# Altium PCB Breathalyzer.PcbDoc
Units mm, origin at the board's own origin, x right, y up, seen from the top; angles counter-clockwise.
Board outline 115 x 42 mm, 2 copper layers (Top Layer, Bottom Layer), stack 1.671 mm thick; 66 components, 48 nets, 286 pads, 94 vias.
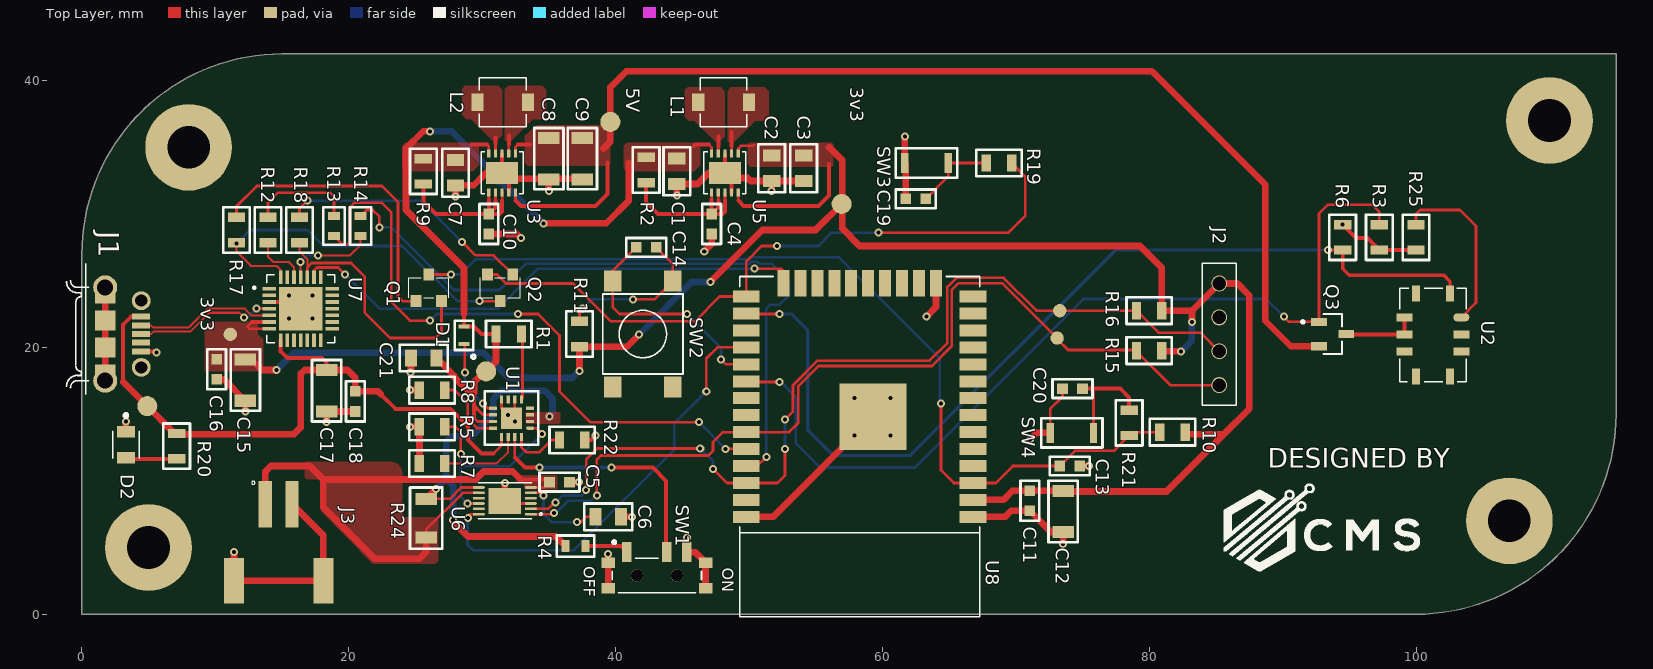
[diagram p0: Top Layer view]
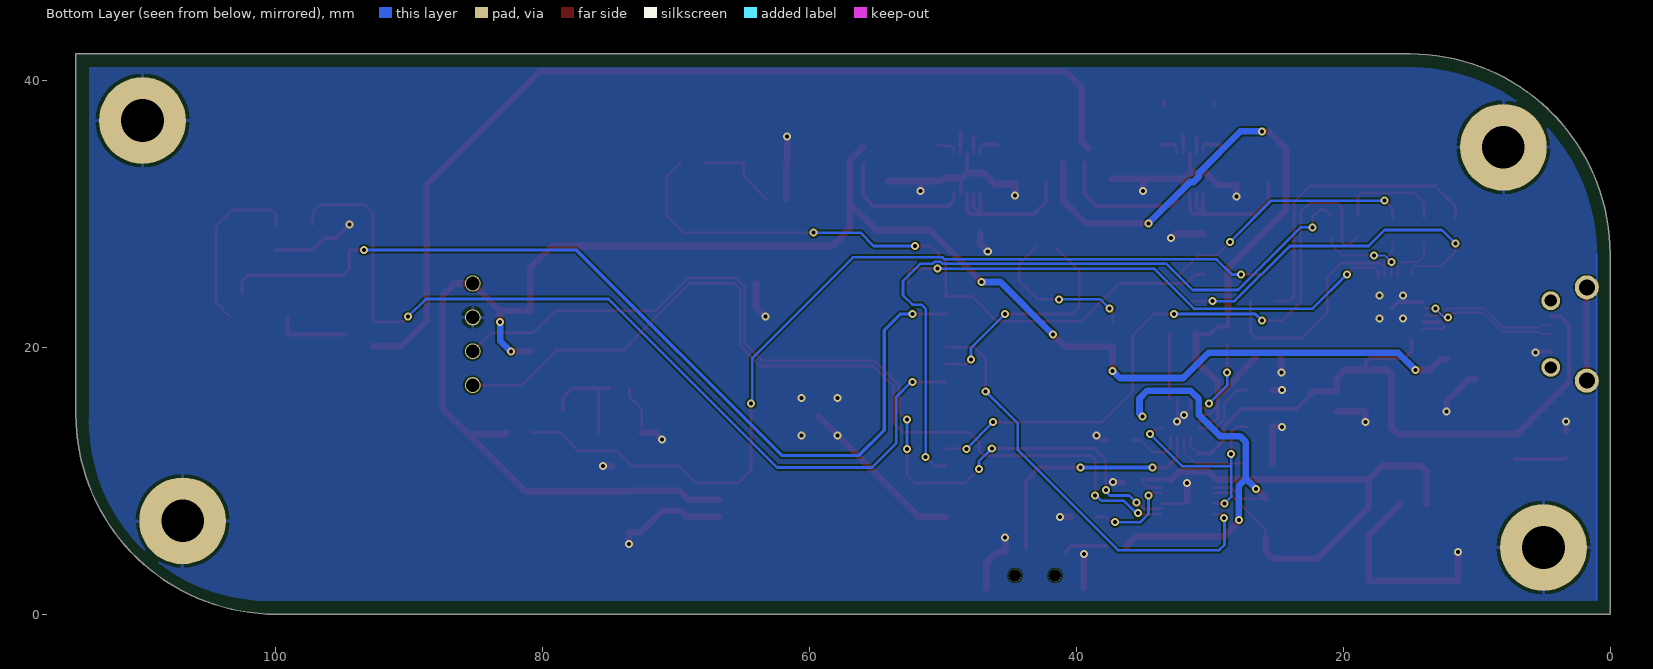
[diagram p1: Bottom Layer view, seen from below]
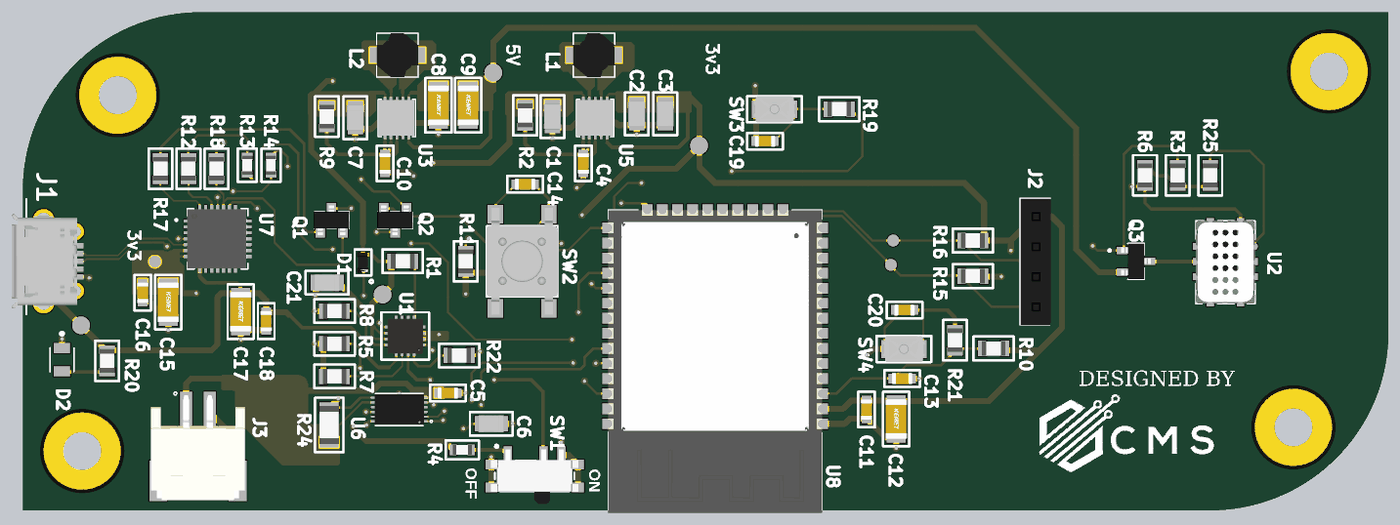
[diagram p2: 3D render of the assembled board from above, using the file's embedded part models]

## Layer stack, top to bottom
Top Solder: solder mask 0.0102, Solder Resist, Dk 3.5
Top Layer: signal copper 0.0356
Dielectric 1: dielectric 1.6, FR-4, Dk 4.8
Bottom Layer: signal copper 0.0356
Bottom Solder: solder mask 0.0102, Solder Resist, Dk 3.5

## Board outline
0,0 0,27 cw(c15,27) 15,42 115,42 115,15 cw(c100,15) 100,0

## Design rules (kind name [scope] priority, off if disabled: settings)
Clearance [All] p1: gap=0.127 ignorepadtopadclearanceinfootprint=FALSE
FabricationTestPointUsage [All] p1: valid=2 allowmultiple=FALSE
HoleSize [All] p1: absolutevalues=TRUE maxlimit=10 minlimit=0.2 maxpercent=80.000 minpercent=20.000
HoleToHoleClearance [All] p1: gap=0.3 allowstackedmicrovias=TRUE
MinimumSolderMaskSliver [All] p1: minsoldermaskwidth=0.1
PolygonConnect PolygonConnect_17 [All vs IsNamedPolygon('Top Layer-BATTIN 1')] p1: connectstyle=Direct reliefconductorwidth=0.254 reliefentries=4 polygonreliefangle="90 Angle" airgapwidth=0.254
PolygonConnect PolygonConnect_16 [All vs IsNamedPolygon('Top Layer-BATTIN')] p2: connectstyle=Direct reliefconductorwidth=0.254 reliefentries=4 polygonreliefangle="90 Angle" airgapwidth=0.254
PolygonConnect PolygonConnect_15 [All vs IsNamedPolygon('Top Layer-VBAT')] p3: connectstyle=Direct reliefconductorwidth=0.254 reliefentries=4 polygonreliefangle="90 Angle" airgapwidth=0.254
PolygonConnect PolygonConnect_14 [All vs IsNamedPolygon('Bottom Layer-GND')] p4: thpad.connectstyle=Relief thpad.reliefconductorwidth=0.254 thpad.reliefentries=4 thpad.polygonreliefangle="90 Angle" thpad.airgapwidth=0.254 smdpad.connectstyle=NoConnect smdpad.reliefconductorwidth=0.254 smdpad.reliefentries=4 smdpad.polygonreliefangle="90 Angle" smdpad.airgapwidth=0.254 via.connectstyle=Direct via.reliefconductorwidth=0.254 via.reliefentries=4 via.polygonreliefangle="90 Angle" via.airgapwidth=0.254
PolygonConnect PolygonConnect_13 [All vs IsNamedPolygon('Bottom Layer-GND')] p5: thpad.connectstyle=Relief thpad.reliefconductorwidth=0.254 thpad.reliefentries=4 thpad.polygonreliefangle="90 Angle" thpad.airgapwidth=0.254 smdpad.connectstyle=Relief smdpad.reliefconductorwidth=0.254 smdpad.reliefentries=4 smdpad.polygonreliefangle="90 Angle" smdpad.airgapwidth=0.254 via.connectstyle=Direct via.reliefconductorwidth=0.254 via.reliefentries=4 via.polygonreliefangle="90 Angle" via.airgapwidth=0.254
PolygonConnect PolygonConnect_12 [All vs IsNamedPolygon('Top Layer-3V3')] p6: connectstyle=Direct reliefconductorwidth=0.254 reliefentries=4 polygonreliefangle="90 Angle" airgapwidth=0.254
PolygonConnect PolygonConnect_11 [All vs IsNamedPolygon('VOUT_L01_P026')] p7: connectstyle=Direct reliefconductorwidth=0.254 reliefentries=4 polygonreliefangle="90 Angle" airgapwidth=0.254
PolygonConnect PolygonConnect_10 [All vs IsNamedPolygon('5V_L01_P020')] p8: connectstyle=Direct reliefconductorwidth=0.254 reliefentries=4 polygonreliefangle="90 Angle" airgapwidth=0.254
PolygonConnect PolygonConnect_9 [All vs IsNamedPolygon('Top Layer-3V3 1')] p9: connectstyle=Direct reliefconductorwidth=0.254 reliefentries=4 polygonreliefangle="90 Angle" airgapwidth=0.254
PolygonConnect PolygonConnect_8 [All vs IsNamedPolygon('Top Layer-NetL1_2')] p10: connectstyle=Direct reliefconductorwidth=0.254 reliefentries=4 polygonreliefangle="90 Angle" airgapwidth=0.254
PolygonConnect PolygonConnect_7 [All vs IsNamedPolygon('Top Layer-NetL2_2')] p11: connectstyle=Direct reliefconductorwidth=0.254 reliefentries=4 polygonreliefangle="90 Angle" airgapwidth=0.254
PolygonConnect PolygonConnect_6 [All vs IsNamedPolygon('NETL2_1_L01_P022')] p12: connectstyle=Direct reliefconductorwidth=0.254 reliefentries=4 polygonreliefangle="90 Angle" airgapwidth=0.254
PolygonConnect PolygonConnect_5 [All vs IsNamedPolygon('NETL1_2_L01_P030')] p13: connectstyle=Direct reliefconductorwidth=0.254 reliefentries=4 polygonreliefangle="90 Angle" airgapwidth=0.254
PolygonConnect PolygonConnect_4 [All vs IsNamedPolygon('Top Layer-VOUT')] p14: connectstyle=Direct reliefconductorwidth=0.254 reliefentries=4 polygonreliefangle="90 Angle" airgapwidth=0.254
PolygonConnect PolygonConnect_3 [All vs IsNamedPolygon('Top Layer-NetL1_1')] p15: connectstyle=Direct reliefconductorwidth=0.254 reliefentries=4 polygonreliefangle="90 Angle" airgapwidth=0.254
PolygonConnect PolygonConnect_2 [All vs IsNamedPolygon('Bottom Layer-GND')] p16: thpad.connectstyle=Relief thpad.reliefconductorwidth=0.254 thpad.reliefentries=4 thpad.polygonreliefangle="90 Angle" thpad.airgapwidth=0.254 smdpad.connectstyle=Direct smdpad.reliefconductorwidth=0.254 smdpad.reliefentries=4 smdpad.polygonreliefangle="90 Angle" smdpad.airgapwidth=0.254 via.connectstyle=Direct via.reliefconductorwidth=0.254 via.reliefentries=4 via.polygonreliefangle="90 Angle" via.airgapwidth=0.254
PolygonConnect PolygonConnect_1 [All vs IsNamedPolygon('Top Layer-No Net 1') Or  IsNamedPolygon('Top Layer-5V 1')] p17: thpad.connectstyle=Direct thpad.reliefconductorwidth=0.254 thpad.reliefentries=4 thpad.polygonreliefangle="90 Angle" thpad.airgapwidth=0.254 smdpad.connectstyle=Direct smdpad.reliefconductorwidth=0.254 smdpad.reliefentries=4 smdpad.polygonreliefangle="90 Angle" smdpad.airgapwidth=0.254 via.connectstyle=Relief via.reliefconductorwidth=0.254 via.reliefentries=4 via.polygonreliefangle="90 Angle" via.airgapwidth=0.254
PolygonConnect [All] p18: connectstyle=Relief reliefconductorwidth=0.254 reliefentries=4 polygonreliefangle="90 Angle" airgapwidth=0.254
RoutingVias [All] p1: holewidth=0.3 width=0.6 viastyle="Through Hole" minholewidth=0.3 minwidth=0.6 maxholewidth=0.3 maxwidth=0.6
SilkToSilkClearance [All] p1: silktosilkclearance=0.1
SilkToSolderMaskClearance [IsPad] p1: minsilkscreentomaskgap=0.1 clearancetoexposedcopper=TRUE
SolderMaskExpansion [All] p1: expansion=0.102
Width Width_1 [All] p1: maxlimit=0.5 minlimit=0.152 preferedwidth=0.3
Width "Width POWERS" [(InNet('3V3') OR InNet('5V') OR InNet('VUSB') OR InNet('VBAT') OR InNet('VOUT') OR InNet('GND') OR InNet('3V3'))] p2: maxlimit=4 minlimit=0.4 preferedwidth=0.4
24 further rules are at their usual default settings.

## Components (designator, comment, footprint, x,y, rotation, side; value= is the part's Value field where it differs from the comment)
C1 "10uF" 0805MLCC 44.6,33.2 r270 top
C2 "10uF" 0805MLCC 51.7,33.425 r90 top
C3 "10uF" 0805MLCC 54.1,33.425 r90 top
C4 "0.1uF" 0603MLCC 47.2,28.5 r90 top
C5 "1uF 10%" 0603MLCC 35.05,9.895 r0 top
C6 ".47uF" 0805MLCC 39.45,7.3 r180 top
C7 "10uF" 0805MLCC 28,33.1 r270 top
C8 "10uF 25V" 1206MLCC 35,34.15 r90 top
C9 "10uF 25V" 1206MLCC 37.509,34.15 r90 top
C10 "0.1uF" 0603MLCC 30.5,28.5 r90 top
C11 "1uF 10%" 0603MLCC 71.05,7.75 r90 top
C12 "100uF 6.3V" 1206MLCC 73.55,7.7 r90 top
C13 "1nF 50V" 0603MLCC 74.8,11.11 r180 top
C14 "1nF 50V" 0603MLCC 43.05,27.5 r180 top
C15 "10uF 25V" 1206MLCC 12.25,17.55 r90 top
C16 "0.1uF" 0603MLCC 10.1,17.6 r90 top
C17 "10uF 25V" 1206MLCC 18.35,16.75 r90 top
C18 "0.1uF" 0603MLCC 20.5,15.2 r90 top
C19 "1nF 50V" 0603MLCC 61.755,31.133 r0 top
C20 "1nF 50V" 0603MLCC 73.5,16.9 r0 top
C21 "10uF" 0805MLCC 25.625,19.2 r180 top
D1 "Blue" LTST-C193TBKT-5A 28.646,20.9 r270 top
D2 "RED" LEDC2012X75N_APT2012SRCPRV(Primary) 3.3,12.7 r270 top
J1 "10118194-0001LF" FRAMATOME_10118194-0001LF 1.75,21 r270 top
J2 "Header for I2C Testing" "1x4 Header 2.54mm pitch" 85.25,24.79 r0 top
J3 "S2B-PH-SM4-TB" JST_S2B-PH-SM4-TB 14.75,8.25 r180 top
L1 "2u2 1.5A" VLF4012AT-2R2M1R5 48.1,38.375 r0 top
L2 "2u2 1.5A" VLF4012AT-2R2M1R5 31.55,38.375 r0 top
Q1 "S8050 NPN" SOT23-NPN 26,24.46 r0 top
Q2 "S8050 NPN" SOT23-NPN 31.35,24.46 r180 top
Q3 "DMP2045U-7" SOT91P240X110-3N 93.75,21 r0 top
R1 "10K 1%" 0805RES 31.996,21 r180 top
R2 "100R" 0805RES 42.3,33.3 r90 top
R3 "10K 1%" 0805RES 97.25,28.25 r270 top
R4 "100k" 0603RES 37,5.1 r180 top
R5 "10K 1%" 0805RES 26.25,14.05 r0 top
R6 "10K 1%" 0805RES 94.5,28.25 r270 top
R7 "18k" 0805RES 26.25,11.3 r0 top
R8 "1.6K" 0805RES 26.25,16.8 r0 top
R9 "100R" 0805RES 25.6,33.2 r90 top
R10 "10K 1%" 0805RES 81.75,13.65 r0 top
R11 "10K 1%" 0805RES 37.3,21 r270 top
R12 "470R 1%" 0805RES 13.95,28.8 r90 top
R13 "0R 1%" 0603RES 18.9,29.1 r270 top
R14 "0R 1%" 0603RES 20.9,29.1 r90 top
R15 "4k7" 0805RES 80,19.75 r180 top
R16 "4k7" 0805RES 80,22.75 r0 top
R17 "10K 1%" 0805RES 11.59,28.8 r90 top
R18 "10K 1%" 0805RES 16.31,28.8 r90 top
R19 "470R 1%" 0805RES 68.75,33.823 r0 top
R20 "1.6K" 0805RES 7.1,12.6 r90 top
R21 "470R 1%" 0805RES 78.5,14.35 r270 top
R22 "1.6K" 0805RES 36.75,13.054 r180 top
R24 "0.01R 1% 1W" 1206RES 25.8,7.2 r270 top
R25 "82R 1%" 0805RES 100,28.25 r90 top
SW1 "PCM12SMTR" SW_PCM12SMTR_PCM12SMTR(Primary) 43.1,2.9 r0 top
SW2 "PTS645SM43SMTR" PTS645SM43SMTR 42.05,21 r90 top
SW3 "SMD Light Touch Switch" "Tactile Switch" 63.305,33.823 r0 top
SW4 "SMD Light Touch Switch" "Tactile Switch" 74.2,13.6 r0 top
U1 "BQ24075" "VQFN 16-PIN 0.5MM PITCH" 32.2,14.7 r180 top
U2 "MiCS-5524" "MICS5524 ETHANOL SENSOR" 103.4,22.25 r180 top
U3 "TPS63002" SON50P300X300X100-11N 31.5,33.077 r270 top
U5 "TPS63001" SON50P300X300X100-11N 48.2,33.077 r270 top
U6 "BQ27441-G1" SON40P400X250X100-13N 31.7,8.5 r180 top
U7 "CP2102N" QFN50P500X500X80-29N 14.04,24.4 r0 top
U8 "ESP32-WROOM-32D" MODULE_ESP32-WROOM-32D 58.3,12.56 r180 top

## Footprints (in the part's own frame and the unit in brackets; to place one, negate y for a bottom-side part, rotate by r counter-clockwise, add the part's x,y. Pads: shape width x height; smd on the part's side, far side on the other; paste and mask are expansions set on the pad)
"1x4 Header 2.54mm pitch" [mm]
  round 1.2 hole 1.02 mask+0.1: 1(0,0) 2(0,-2.54) 3(0,-5.08) 4(0,-7.62)
  silkscreen extent -1.27,-9.14 1.27,1.52, body extent -1.22,-9.17 1.32,1.49, height 8.51
0603MLCC [mm]
  rect 0.8x0.8 smd: 1(0,0) 2(1.5,0)
  silkscreen extent -0.75,-0.7 2.25,0.7, body extent -0.12,-0.48 1.62,0.48, height 0.96
0603RES [mm]
  rect 0.6x0.9 smd: 1(-0.75,0) 2(0.75,0)
  silkscreen extent -1.4,-0.8 1.4,0.8, body extent -0.8,-0.43 0.8,0.43, height 0.52
0805MLCC [mm]
  rect 0.9x1.3 smd: 1(-0.95,0) 2(0.95,0)
  silkscreen extent -1.8,-1 1.8,1, body extent -1.1,-0.72 1.1,0.73, height 1.01
0805RES [mm]
  rect 0.7x1.3 smd: 1(-0.95,0) 2(0.95,0)
  silkscreen extent -1.7,-1 1.7,1, body extent -1,-0.63 1,0.63, height 0.47
1206MLCC [mm]
  rect 0.9x1.6 smd: 1(-1.55,0) 2(1.55,0)
  silkscreen extent -2.3,-1.1 2.3,1.1, body extent -1.7,-0.9 1.7,0.9, height 0.89
1206RES [mm]
  rect 0.9x1.6 smd: 1(-1.45,0) 2(1.45,0)
  silkscreen extent -2.3,-1.2 2.3,1.2, body extent -1.6,-0.83 1.6,0.83, height 0.57
FRAMATOME_10118194-0001LF [mm]
  rect 0.45x1.35 smd mask+0.05: 1(-1.3,2.675) 2(-0.65,2.675) 3(0,2.675) 4(0.65,2.675) 5(1.3,2.675)
  round 1.408 hole 0.9: P$6(-2.5,2.7) P$7(2.5,2.7)
  round 1.8 hole 1.2: P$8(-3.5,0) P$9(3.5,0)
  rect 1.5x1.55 smd: P$10(-1,0) P$11(1,0) P$12(-3.05,0) P$13(3.05,0)
  silkscreen extent -5.25,-2.9 4.5,-1.25, body extent -4.02,-2.7 4.02,2.88, height 2.77
JST_S2B-PH-SM4-TB [mm]
  rect 1x3.5 smd: 1(1,0) 2(-1,0)
  rect 1.5x3.4 smd: P1(3.35,5.75) P2(-3.35,5.75)
  silkscreen extent 1.77,-1.73 2.03,-1.47, body extent -3.95,-1.47 3.95,7.38, height 5.63
LEDC2012X75N_APT2012SRCPRV(Primary) [mm]
  rect 0.86x1.36 smd: 1(0.975,0) 2(-0.975,0)
  silkscreen extent -2.3,-0.99 1,0.99
LTST-C193TBKT-5A [mm]
  rect 0.3x0.8 smd: 1(-0.65,0) 2(0.65,0)
  silkscreen extent -1.1,-0.7 1.74,0.84, body extent -0.8,-0.4 0.8,0.4, height 0.4
"MICS5524 ETHANOL SENSOR" [mm]
  rect 1.2x0.6 smd: A(0,2.54) B(0,1.27) F(4.25,0) G(4.25,1.27) H(4.25,2.54)
  oval 1.2x0.6 smd: C(0,0)
  rect 0.6x1.2 smd: D(0.855,-1.79) E(3.395,-1.79) J(3.395,4.45) K(0.855,4.45)
  silkscreen extent -0.38,-2.17 4.62,4.83, body extent -0.38,-2.17 4.62,4.83, height 1.31
MODULE_ESP32-WROOM-32D [mm]
  rect 2x0.9 smd: 1(-8.5,5.26) 2(-8.5,3.99) 3(-8.5,2.72) 4(-8.5,1.45) 5(-8.5,0.18) 6(-8.5,-1.09) 7(-8.5,-2.36) 8(-8.5,-3.63) 9(-8.5,-4.9) 10(-8.5,-6.17) 11(-8.5,-7.44) 12(-8.5,-8.71) 13(-8.5,-9.98) 14(-8.5,-11.25) 25(8.5,-11.25) 26(8.5,-9.98) 27(8.5,-8.71) 28(8.5,-7.44) 29(8.5,-6.17) 30(8.5,-4.9) 31(8.5,-3.63) 32(8.5,-2.36) 33(8.5,-1.09) 34(8.5,0.18) 35(8.5,1.45) 36(8.5,2.72) 37(8.5,3.99) 38(8.5,5.26)
  rect 0.9x2 smd: 15(-5.715,-12.25) 16(-4.445,-12.25) 17(-3.175,-12.25) 18(-1.905,-12.25) 19(-0.635,-12.25) 20(0.635,-12.25) 21(1.905,-12.25) 22(3.175,-12.25) 23(4.445,-12.25) 24(5.715,-12.25)
  rect 5x5 smd: 39(-1,-2.24)
  silkscreen extent -9,-12.75 9,12.75, body extent -9,-12.75 9,12.75, height 3.26
PTS645SM43SMTR [mm]
  rect 1.55x1.3 smd: 1(-3.975,2.25) 2(3.975,2.25) 3(-3.975,-2.25) 4(3.975,-2.25)
  silkscreen extent -3,-3 3,3, body extent -4.5,-3 4.5,3, height 5.02
QFN50P500X500X80-29N [mm]
  rect 1.01x0.27 smd mask+0.05: 1(0,0) 2(0,-0.5) 3(0,-1) 4(0,-1.5) 5(0,-2) 6(0,-2.5) 7(0,-3) 15(4.72,-3) 16(4.72,-2.5) 17(4.72,-2) 18(4.72,-1.5) 19(4.72,-1) 20(4.72,-0.5) 21(4.72,0)
  rect 0.27x1.01 smd mask+0.05: 8(0.86,-3.86) 9(1.36,-3.86) 10(1.86,-3.86) 11(2.36,-3.86) 12(2.86,-3.86) 13(3.36,-3.86) 14(3.86,-3.86) 22(3.86,0.86) 23(3.36,0.86) 24(2.86,0.86) 25(2.36,0.86) 26(1.86,0.86) 27(1.36,0.86) 28(0.86,0.86)
  rect 3.25x3.25 smd mask+0.05: 29(2.36,-1.5)
  silkscreen extent -1.19,-4.05 4.91,1.05, body extent -0.2,-4 4.8,1, height 1
SON40P400X250X100-13N [mm]
  oval 0.9x0.2 smd mask+0.05: 1(-1.95,1) 2(-1.95,0.6) 3(-1.95,0.2) 4(-1.95,-0.2) 5(-1.95,-0.6) 6(-1.95,-1) 7(1.95,-1) 8(1.95,-0.6) 9(1.95,-0.2) 10(1.95,0.2) 11(1.95,0.6) 12(1.95,1)
  rect 2.45x1.95 smd mask+0.102: 13(0,0)
  silkscreen extent -2.8,-1.35 2,1.35, body extent -2.08,-1.3 2.08,1.3, height 1.06
SON50P300X300X100-11N [mm]
  rect 0.6x0.24 smd mask+0.05: 1(-1.473,1) 2(-1.473,0.5) 3(-1.473,0) 4(-1.473,-0.5) 5(-1.473,-1) 6(1.473,-1) 7(1.473,-0.5) 8(1.473,0) 9(1.473,0.5) 10(1.473,1)
  rect 1.651x2.388 smd mask+0.05: 11(0,0)
  silkscreen extent -1.57,-1.57 1.57,1.57, body extent -1.52,-1.5 1.53,1.5, height 0.87
SOT23-NPN [mm]
  rect 0.8x0.9 smd: B(-0.95,-1) C(0,1) E(0.95,-1)
  silkscreen extent -1.5,-0.75 1.5,0.75, body extent -1.5,-1.25 1.5,1.25, height 1.11
SOT91P240X110-3N [mm]
  rect 1.18x0.61 smd: D(1.025,0) G(-1.025,0.915) S(-1.025,-0.915)
  silkscreen extent -2.33,-1.5 0.7,1.5, body extent -1.25,-1.5 1.25,1.5, height 1.11
SW_PCM12SMTR_PCM12SMTR(Primary) [mm]
  rect 0.7x1.5 smd: 1(-2.25,1.75) 2(0.75,1.75) 3(2.25,1.75)
  round 0.9 hole 0.9 unplated: None(-1.5,0) None(1.5,0)
  rect 1x0.8 smd: S1(-3.65,0.965) S2(-3.65,-0.965) S3(3.65,-0.965) S4(3.65,0.965)
  silkscreen extent -3.35,-1.3 3.35,2.6, body extent -3.68,-2.34 3.67,2.23, height 1.4
"Tactile Switch" [mm]
  rect 0.55x1.5 smd: 1(-1.625,0) 2(1.625,0)
  silkscreen extent -2.3,-1.1 2.3,1.1, body extent -1.75,-1.1 1.75,1.1, height 0.57
VLF4012AT-2R2M1R5 [mm]
  rect 0.9x1.3 smd: 1(-1.9,0) 2(1.9,0)
  silkscreen extent -1.75,-1.85 1.75,1.85, body extent -1.75,-1.85 1.75,1.85, height 1.03
"VQFN 16-PIN 0.5MM PITCH" [mm]
  oval 0.6x0.25 smd mask+0.05: 1(-1.4,0.75)
  rect 0.6x0.25 smd mask+0.05: 2(-1.4,0.25) 3(-1.4,-0.25) 4(-1.4,-0.75) 9(1.4,-0.75) 10(1.4,-0.25) 11(1.4,0.25) 12(1.4,0.75)
  rect 0.25x0.6 smd mask+0.05: 5(-0.75,-1.4) 6(-0.25,-1.4) 7(0.25,-1.4) 8(0.75,-1.4) 13(0.75,1.4) 14(0.25,1.4) 15(-0.25,1.4) 16(-0.75,1.4)
  rect 1.6x1.6 smd mask+0.05: 17(0,0)
  silkscreen extent -2,-2 2,2, body extent -1.5,-1.48 1.5,1.53, height 0.92

## Part data
C1 C2 C3 C7 C21: library part 08056C106KAT2A, "CAP CER 10UF 6.3V X7R 0805", Case/Package=0805, Case Code (Metric)=2012, Dielectric=X7R, Manufacturer="Kyocera AVX", Max Operating Temperature=125°C, Min Operating Temperature=-55°C, Package Quantity=1, Supplier Part Number 1=478-5322-6-ND, Tolerance=10%, Voltage=6.3V, Capacitance=10uF, Case Code (Imperial)=0805, ComponentLink1Description=http://www.farnell.com/datasheets/2095836.pdf, ComponentLink1URL=http://www.farnell.com/datasheets/2095836.pdf, ComponentLink2Description=http://avx.com/docs/Catalogs/cx7r.pdf, ComponentLink2URL=http://avx.com/docs/Catalogs/cx7r.pdf, ComponentLink3Description=http://www.mouser.com/ds/2/40/X7RDielectric-777024.pdf, ComponentLink3URL=http://www.mouser.com/ds/2/40/X7RDielectric-777024.pdf, ComponentLink4Description=https://www.verical.com/server-webapp/html/getDatasheet?partID=149687, ComponentLink4URL=https://www.verical.com/server-webapp/html/getDatasheet?partID=149687, ComponentLink5Description=http://www.avx.com/docs/catalogs/cx7r.pdf, ComponentLink5URL=http://www.avx.com/docs/catalogs/cx7r.pdf, ComponentLink6Description=http://catalogs.avx.com/SurfaceMount.pdf, ComponentLink6URL=http://catalogs.avx.com/SurfaceMount.pdf, ComponentLink7Description=http://datasheets.avx.com/X7RDielectric.pdf, ComponentLink7URL=http://datasheets.avx.com/X7RDielectric.pdf, Contact Plating=Matte,Tin, Depth=1.25mm, Height=1.52mm, Lead Free="Lead Free", Length=2.01mm, Manufacturer Part Number=08056C106KAT2A, Mount="PCB,Surface Mount", Number of Pins=2, Packaging="Tape and Reel", Pricing 1="1=0.83, 10=0.614, 100=0.4209, 500=0.33322, 1000=0.2806 (USD)", Radiation Hardening=No, REACH SVHC="No SVHC", Stock 1=0, Supplier 1=Digi-Key, Termination=SMD/SMT, Thickness=0.055inch, Voltage Rating=6.3V, Voltage Rating (DC)=6.3V, Width=0.049inch
C4 C10 C16 C18: library part GRM188R71E104KA01D, "CAP CER 0.1UF 25V X7R 0603", Capacitance=100nF, Case/Package=0603, Case Code (Metric)=1608, Dielectric=X7R, Manufacturer=Murata, Max Operating Temperature=125°C, Min Operating Temperature=-55°C, Package Quantity=1, Supplier Part Number 1=490-1524-6-ND, Tolerance=10%, Voltage=25V, Case Code (Imperial)=0603, ComponentLink1Description=https://www.murata.com/~/media/webrenewal/support/library/catalog/products/capacitor/mlcc/c02e.ashx?la=en-us, ComponentLink1URL=https://www.murata.com/~/media/webrenewal/support/library/catalog/products/capacitor/mlcc/c02e.ashx?la=en-us, ComponentLink2Description=http://psearch.en.murata.com/capacitor/product/GRM188R71E103KA01%23.pdf, ComponentLink2URL=http://psearch.en.murata.com/capacitor/product/GRM188R71E103KA01%23.pdf, ComponentLink3Description=http://www.farnell.com/datasheets/1747454.pdf, ComponentLink3URL=http://www.farnell.com/datasheets/1747454.pdf, ComponentLink4Description=http://www.jameco.com/Jameco/Products/ProdDS/1857495.pdf, ComponentLink4URL=http://www.jameco.com/Jameco/Products/ProdDS/1857495.pdf, ComponentLink5Description=https://www.verical.com/server-webapp/html/getDatasheet?partID=44549, ComponentLink5URL=https://www.verical.com/server-webapp/html/getDatasheet?partID=44549, ComponentLink6Description=https://produktinfo.conrad.com/datenblaetter/450000-474999/451555-da-01-en-VS_KONDENSATOR_0603.pdf, ComponentLink6URL=https://produktinfo.conrad.com/datenblaetter/450000-474999/451555-da-01-en-VS_KONDENSATOR_0603.pdf, Depth=0.8mm, Height=0.8mm, Lead Free="Lead Free", Length=1.6mm, Manufacturer Part Number=GRM188R71E104KA01D, Material=Ceramic, Mount="Surface Mount", Number of Pins=2, Packaging="Tape and Reel", Pricing 1="1=0.13 (USD)", Radiation Hardening=No, REACH SVHC=Unknown, Stock 1=4000, Supplier 1=Digi-Key, Termination=SMD/SMT, Thickness=0.035inch, Voltage Rating=25V, Voltage Rating (DC)=25V, Weight=7.1E-05oz, Width=0.031inch
C5 C11: library part GRM188R61A105KA61J, "Multilayer Ceramic Capacitors MLCC - SMD/SMT 0603 1uF 10volts X5R 10%", Capacitance=1uF, Case/Package=0603, Case Code (Metric)=1608, Dielectric=X5R, Manufacturer=Murata, Max Operating Temperature=85°C, Min Operating Temperature=-55°C, Package Quantity=1, Supplier Part Number 1=490-6408-1-ND, Tolerance=10%, Voltage Rating=10V, Case Code (Imperial)=0603, ComponentLink1Description=https://www.murata.com/~/media/webrenewal/support/library/catalog/products/capacitor/mlcc/c02e.ashx?la=en-us, ComponentLink1URL=https://www.murata.com/~/media/webrenewal/support/library/catalog/products/capacitor/mlcc/c02e.ashx?la=en-us, Depth=0.8mm, Height=0.8mm, Length=1.6mm, Manufacturer Part Number=GRM188R61A105KA61J, Mount="Surface Mount", Packaging="Tape and Reel", Radiation Hardening=No, REACH SVHC="No SVHC", Stock 1=100000, Supplier 1=Digi-Key, Termination=SMD/SMT, Thickness=0.035inch, Voltage Rating (DC)=10V, Width=0.031inch
C6: library part CC0805KKX7R8BB474, "CAP CER 0.47UF 25V X7R 0805", Capacitance=470nF, Case/Package=0805, Case Code (Metric)=2012, Dielectric=X7R, Insulation Resistance=10GR, Manufacturer=Yageo, Max Operating Temperature=125°C, Min Operating Temperature=-55°C, Package Quantity=3000, Supplier Part Number 1=311-1364-6-ND, Tolerance=10%, Voltage=25V, Case Code (Imperial)=0805, ComponentLink1Description=http://documents.rs-components.com/techlib://itc_doclist_GB.htm?stockno=6963572, ComponentLink1URL=http://documents.rs-components.com/techlib://itc_doclist_GB.htm?stockno=6963572, ComponentLink2Description=http://www.farnell.com/datasheets/1489800.pdf, ComponentLink2URL=http://www.farnell.com/datasheets/1489800.pdf, ComponentLink3Description=http://www.yageo.com/documents/recent/UPY-GPHC_X7R_6.3V-to-50V_18.pdf, ComponentLink3URL=http://www.yageo.com/documents/recent/UPY-GPHC_X7R_6.3V-to-50V_18.pdf, ComponentLink4Description=https://www.verical.com/server-webapp/html/getDatasheet?partID=315216, ComponentLink4URL=https://www.verical.com/server-webapp/html/getDatasheet?partID=315216, ComponentLink5Description=http://www.mouser.com/ds/2/447/Yageo_UPY-GP_NP0_16V-to-50V_9-358835.pdf, ComponentLink5URL=http://www.mouser.com/ds/2/447/Yageo_UPY-GP_NP0_16V-to-50V_9-358835.pdf, Composition=Ceramic, Depth=1.25mm, Dissipation Factor=5%, Halogen Free="Halogen Free", Height=1.25mm, Lead Free="Lead Free", Length=2mm, Manufacturer Part Number=CC0805KKX7R8BB474, Mount="Surface Mount", Number of Pins=2, Packaging="Tape and Reel", Pricing 1="1=0.29, 10=0.197, 100=0.0997, 500=0.06824, 1000=0.06037 (USD)", Radiation Hardening=No, REACH SVHC="No SVHC", Stock 1=0, Supplier 1=Digi-Key, Termination=SMD/SMT, Thickness=0.049inch, Voltage Rating=25V, Voltage Rating (DC)=25V, Width=0.049inch
C8 C9 C15 C17: library part TMK316BJ106ML-T, "CAP CER 10UF 25V X5R 1206", Capacitance=10uF, Case/Package=1206, Case Code (Metric)=3216, Dielectric=X5R, Manufacturer="Taiyo Yuden", Max Operating Temperature=85°C, Min Operating Temperature=-55°C, Package Quantity=1, Supplier Part Number 1=587-2259-6-ND, Tolerance=10%, Voltage=25V, Case Code (Imperial)=1206, ComponentLink1Description=https://www.yuden.co.jp/productdata/catalog/mlcc01_e.pdf, ComponentLink1URL=https://www.yuden.co.jp/productdata/catalog/mlcc01_e.pdf, ComponentLink2Description=http://www.farnell.com/datasheets/1481447.pdf, ComponentLink2URL=http://www.farnell.com/datasheets/1481447.pdf, ComponentLink3Description=http://www.farnell.com/datasheets/746258.pdf, ComponentLink3URL=http://www.farnell.com/datasheets/746258.pdf, Composition=Ceramic, Contact Plating=Nickel, Depth=1.6mm, Halogen Free="Halogen Free", Height=1.6mm, Lead Free="Lead Free", Length=3.2mm, Manufacturer Part Number=TMK316BJ106ML-T, Mount="Surface Mount", Number of Pins=2, Packaging="Tape and Reel", Pricing 1="1=0.34, 10=0.236, 100=0.1339, 500=0.09454, 1000=0.08271 (USD)", Radiation Hardening=No, REACH SVHC=Unknown, Stock 1=0, Supplier 1=Digi-Key, Termination=SMD/SMT, Thickness=0.071inch, Voltage Rating=25V, Voltage Rating (DC)=25V, Width=1.6mm
C12: library part GRM31CR60J107ME39K, "Multilayer Ceramic Capacitors MLCC - SMD/SMT 1206 100uF 6.3volt X5R +/-20%", Capacitance=100uF, Case/Package=1206, Case Code (Metric)=3216, Dielectric=X5R, Manufacturer=Murata, Max Operating Temperature=85°C, Min Operating Temperature=-55°C, Package Quantity=1, Supplier Part Number 1=GRM31CR60J107ME39K-ND, Tolerance=20%, Voltage=6.3V, Case Code (Imperial)=1206, ComponentLink1Description=http://www.mouser.com/ds/2/281/GRM31A7U2H471JW31-01-1064911.pdf, ComponentLink1URL=http://www.mouser.com/ds/2/281/GRM31A7U2H471JW31-01-1064911.pdf, ComponentLink2Description=https://www.murata.com/~/media/webrenewal/support/library/catalog/products/capacitor/mlcc/c02e.ashx?la=en-us, ComponentLink2URL=https://www.murata.com/~/media/webrenewal/support/library/catalog/products/capacitor/mlcc/c02e.ashx?la=en-us, Depth=1.6mm, Height=1.6mm, Lead Free="Lead Free", Length=3.2mm, Manufacturer Part Number=GRM31CR60J107ME39K, Mount="Surface Mount", Packaging="Tape and Reel", Radiation Hardening=No, REACH SVHC="No SVHC", Stock 1=0, Supplier 1=Digi-Key, Termination=SMD/SMT, Thickness=0.071inch, Voltage Rating=6.3V, Voltage Rating (DC)=6.3V, Width=0.063inch
C13 C14 C19 C20: library part UMK107SD102KA-T, "CAP CER 1000PF 50V 0603", Capacitance=1nF, Case/Package=0603, Case Code (Metric)=1608, Dielectric Material=Ceramic, Manufacturer="Taiyo Yuden", Max Operating Temperature=125°C, Min Operating Temperature=-55°C, Package Quantity=1, Supplier Part Number 1=587-1070-6-ND, Tolerance=10%, Voltage=50V, Case Code (Imperial)=0603, ComponentLink1Description=http://www.yuden.co.jp/productdata/catalog/en/mlcc07_e.pdf, ComponentLink1URL=http://www.yuden.co.jp/productdata/catalog/en/mlcc07_e.pdf, ComponentLink2Description=http://documents.rs-components.com/techlib://itc_doclist_GB.htm?stockno=7587377, ComponentLink2URL=http://documents.rs-components.com/techlib://itc_doclist_GB.htm?stockno=7587377, ComponentLink3Description=http://ds.yuden.co.jp/TYCOMPAS/ut/detail.do?productNo=UMK107SD102KA-T&fileName=UMK107SD102KA-T_SS&mode=specSheetDownload, ComponentLink3URL=http://ds.yuden.co.jp/TYCOMPAS/ut/detail.do?productNo=UMK107SD102KA-T&fileName=UMK107SD102KA-T_SS&mode=specSheetDownload, Depth=0.8mm, Halogen Free="Halogen Free", Height=0.8mm, Lead Free="Lead Free", Length=1.6mm, Manufacturer Part Number=UMK107SD102KA-T, Mount="Surface Mount", Number of Pins=2, Packaging="Tape and Reel", Pricing 1="1=0.36, 10=0.252, 100=0.1509, 500=0.1132, 1000=0.09559 (USD)", Radiation Hardening=No, Stock 1=4000, Supplier 1=Digi-Key, Termination=SMD/SMT, Thickness=0.035inch, Voltage Rating=50V, Voltage Rating (DC)=50V, Width=0.8mm
D1: library part LTST-C193TBKT-5A, "Standard LEDs - SMD Blue 470nm 28mcd 5mA", Case/Package=0603, Case Code (Metric)=1608, Forward Current=20mA, Forward Voltage=2.8V, Lens Colour=Clear,Colorless, Manufacturer="Vishay Lite-On", Max Operating Temperature=80°C, Min Operating Temperature=-20°C, Package Quantity=1, Power Dissipation=76mW, Reverse Voltage=5V, Supplier Part Number 1=859-LTSTC193TBKT5A, Test Current=5mA, Case Code (Imperial)=0603, Colour=Blue, ComponentLink1Description=http://www.mouser.com/ds/2/239/Lite-On-LTST-C193TBKT-5A-187386.pdf, ComponentLink1URL=http://www.mouser.com/ds/2/239/Lite-On-LTST-C193TBKT-5A-187386.pdf, ComponentLink2Description=https://media.digikey.com/pdf/Data%20Sheets/Lite-On%20PDFs/LTST-C193TBKT-5A.pdf, ComponentLink2URL=https://media.digikey.com/pdf/Data%20Sheets/Lite-On%20PDFs/LTST-C193TBKT-5A.pdf, ComponentLink3Description=https://www.verical.com/server-webapp/html/getDatasheet?partID=293056, ComponentLink3URL=https://www.verical.com/server-webapp/html/getDatasheet?partID=293056, ComponentLink4Description=http://uk.rs-online.com/webdocs/0dc0/0900766b80dc0554.pdf, ComponentLink4URL=http://uk.rs-online.com/webdocs/0dc0/0900766b80dc0554.pdf, ComponentLink5Description=http://www1.futureelectronics.com/doc/LITE-ON/LTST-C193TBKT-5A.pdf, ComponentLink5URL=http://www1.futureelectronics.com/doc/LITE-ON/LTST-C193TBKT-5A.pdf, Depth=0.8mm, Dominant Wavelength=475nm, Height=0.35mm, Illumination Colour=Blue, Lead Free="Lead Free", Length=1.6mm, Lens Style=Clear,Colorless,Diffused,Rectangular, Lens Transparency=Clear, Luminous Intensity=15mcd, Manufacturer Part Number=LTST-C193TBKT-5A, Mount="Surface Mount", Number of Elements=1, Number of LEDs=1, Number of Pins=2, Packaging="Tape and Reel", Pricing 1="1=0.43, 10=0.23, 50=0.23, 100=0.108, 1000=0.078, 10000=0.055 (USD)", Radiation Hardening=No, Stock 1=100531, Supplier 1=Mouser, Viewing Angle=130°, Width=0.8mm
D2: library part APT2012SRCPRV, "LED 2X1.2MM 640NM RD WTR CLR SMD", Case/Package=0805, Case Code (Metric)=2012, Color=Red, Forward Current=20mA, Forward Voltage=1.85V, Lens Color=Clear, Manufacturer=Kingbright, Max Operating Temperature=85°C, Min Operating Temperature=-40°C, Package Quantity=2000, Power Rating=75mW, Supplier Part Number 1=604-APT2012SRCPRV, Case Code (Imperial)=0805, ComponentLink1Description=http://www.mouser.com/ds/2/216/APT2012SRCPRV-56885.pdf, ComponentLink1URL=http://www.mouser.com/ds/2/216/APT2012SRCPRV-56885.pdf, ComponentLink2Description=http://www.kingbrightusa.com/images/catalog/SPEC/APT2012SRCPRV.pdf, ComponentLink2URL=http://www.kingbrightusa.com/images/catalog/SPEC/APT2012SRCPRV.pdf, ComponentLink3Description=http://www.rapidonline.com/pdf/72-9588.pdf, ComponentLink3URL=http://www.rapidonline.com/pdf/72-9588.pdf, Dominant Wavelength=640nm, Height=0.75mm, Illumination Color=Red, Lead Free="Lead Free", Length=2mm, Lens Style=Clear,Flat, Luminous Intensity=100mcd, Manufacturer Part Number=APT2012SRCPRV, Mount="Surface Mount", Number of LEDs=1, Number of Pins=2, Packaging="Tape and Reel", Pricing 1="1=0.43, 10=0.266, 50=0.266, 100=0.128, 1000=0.082, 10000=0.053 (USD)", Stock 1=64032, Supplier 1=Mouser, Test Current=20mA, Viewing Angle=120°, Wavelength=655nm, Width=1.25mm
J1: "Conn Micro USB Type B RCP 5 POS 0.65mm Solder RA SMD 5 Terminal 1 Port T/R", Package=None, Availability=Unavailable, MF="Amphenol FCI", MP=10118194-0001LF, Price=None, SnapEDA_Link=https://www.snapeda.com/parts/10118194-0001LF/Amphenol%20ICC/view-part/?ref=snap
J2: library part "I2C Testing", "1x4 Header for I2C Testing"
J3: "Socket; wire-board; male; PIN: 2; 2mm; SMT; PH; 100V; 2A; -25÷85°C", Package=None, Availability=Unavailable, MF=JST, MP=S2B-PH-SM4-TB, Price=None, SnapEDA_Link=https://www.snapeda.com/parts/S2B-PH-SM4-TB/JST/view-part/?ref=snap
L1 L2: library part VLF4012AT-2R2M1R5, "FIXED IND 2.2UH 1.5A 87 MOHM SMD", Case/Package=Nonstandard, Current Rating=1.5A, DC Resistance (DCR)=87mR, Inductance=2.2uh, Inductance Tolerance=20%, Manufacturer=TDK, Max Operating Temperature=105°C, Min Operating Temperature=-40°C, Package Quantity=1000, Supplier Part Number 1=445-3233-1-ND, Test Frequency=100kHz, ComponentLink1Description=http://www.farnell.com/datasheets/333336.pdf, ComponentLink1URL=http://www.farnell.com/datasheets/333336.pdf, ComponentLink2Description=http://www.onlinecomponents.com/productFiles/mf-TDK/e531_vlf4012a.pdf, ComponentLink2URL=http://www.onlinecomponents.com/productFiles/mf-TDK/e531_vlf4012a.pdf, Composition=Wirewound, Core Material=Ferrite, DC Current=1.5A, Depth=3.8mm, Height=1.2mm, Height - Seated (Max)=0.047inch, Lead Free="Lead Free", Length=0.146inch, Manufacturer Part Number=VLF4012AT-2R2M1R5, Max DC Current=1.5A, Military Standard=Not, Mount="Surface Mount", Number of Pins=2, Packaging="Tape and Reel", Pricing 1="1=0.83, 10=0.725, 100=0.5175, 500=0.4347 (USD)", Radiation Hardening=No, REACH SVHC="No SVHC", RMS Current (Irms)=1.5A, Saturation Current=1.5A, Shielding=Shielded, Stock 1=94427, Supplier 1=Digi-Key, Termination=SMD/SMT, Tolerance=20%, Width=0.138inch
Q1 Q2: library part MMSS8050-L-TP, "TRANS NPN 25V 1.5A SOT-23", Case/Package=TO-236-3, Collector Base Voltage (VCBO)=40V, Collector Emitter Breakdown Voltage=25V, Collector Emitter Saturation Voltage=500mV, Emitter Base Voltage (VEBO)=5V, Manufacturer=MCC, Max Collector Current=1.5A, Max Operating Temperature=150°C, Max Power Dissipation=625mW, Min Operating Temperature=-55°C, Package Quantity=3000, Supplier Part Number 1=MMSS8050-L-TPMSDKR-ND, Transition Frequency=100MHz, Collector Emitter Voltage (VCEO)=500mV, ComponentLink1Description=http://www.mccsemi.com/up_pdf/MMSS8050(SOT-23).pdf, ComponentLink1URL=http://www.mccsemi.com/up_pdf/MMSS8050(SOT-23).pdf, ComponentLink2Description=http://www.mouser.com/ds/2/258/MMSS8050(SOT-23)-276387.pdf, ComponentLink2URL=http://www.mouser.com/ds/2/258/MMSS8050(SOT-23)-276387.pdf, Element Configuration=Single, Gain Bandwidth Product=100MHz, hFE Min=40, Lead Free="Lead Free", Manufacturer Part Number=MMSS8050-L-TP, Max Breakdown Voltage=25V, Mount="Surface Mount", Packaging="Tape and Reel", Polarity=NPN, Pricing 1="1=0.21, 10=0.19, 25=0.1728, 100=0.1246, 250=0.07336, 500=0.0609, 1000=0.04152 (USD)", Stock 1=28424, Supplier 1=Digi-Key